# Altium PCB MainBoard_6_layers.PcbDoc (part 2 of 6) (continued)
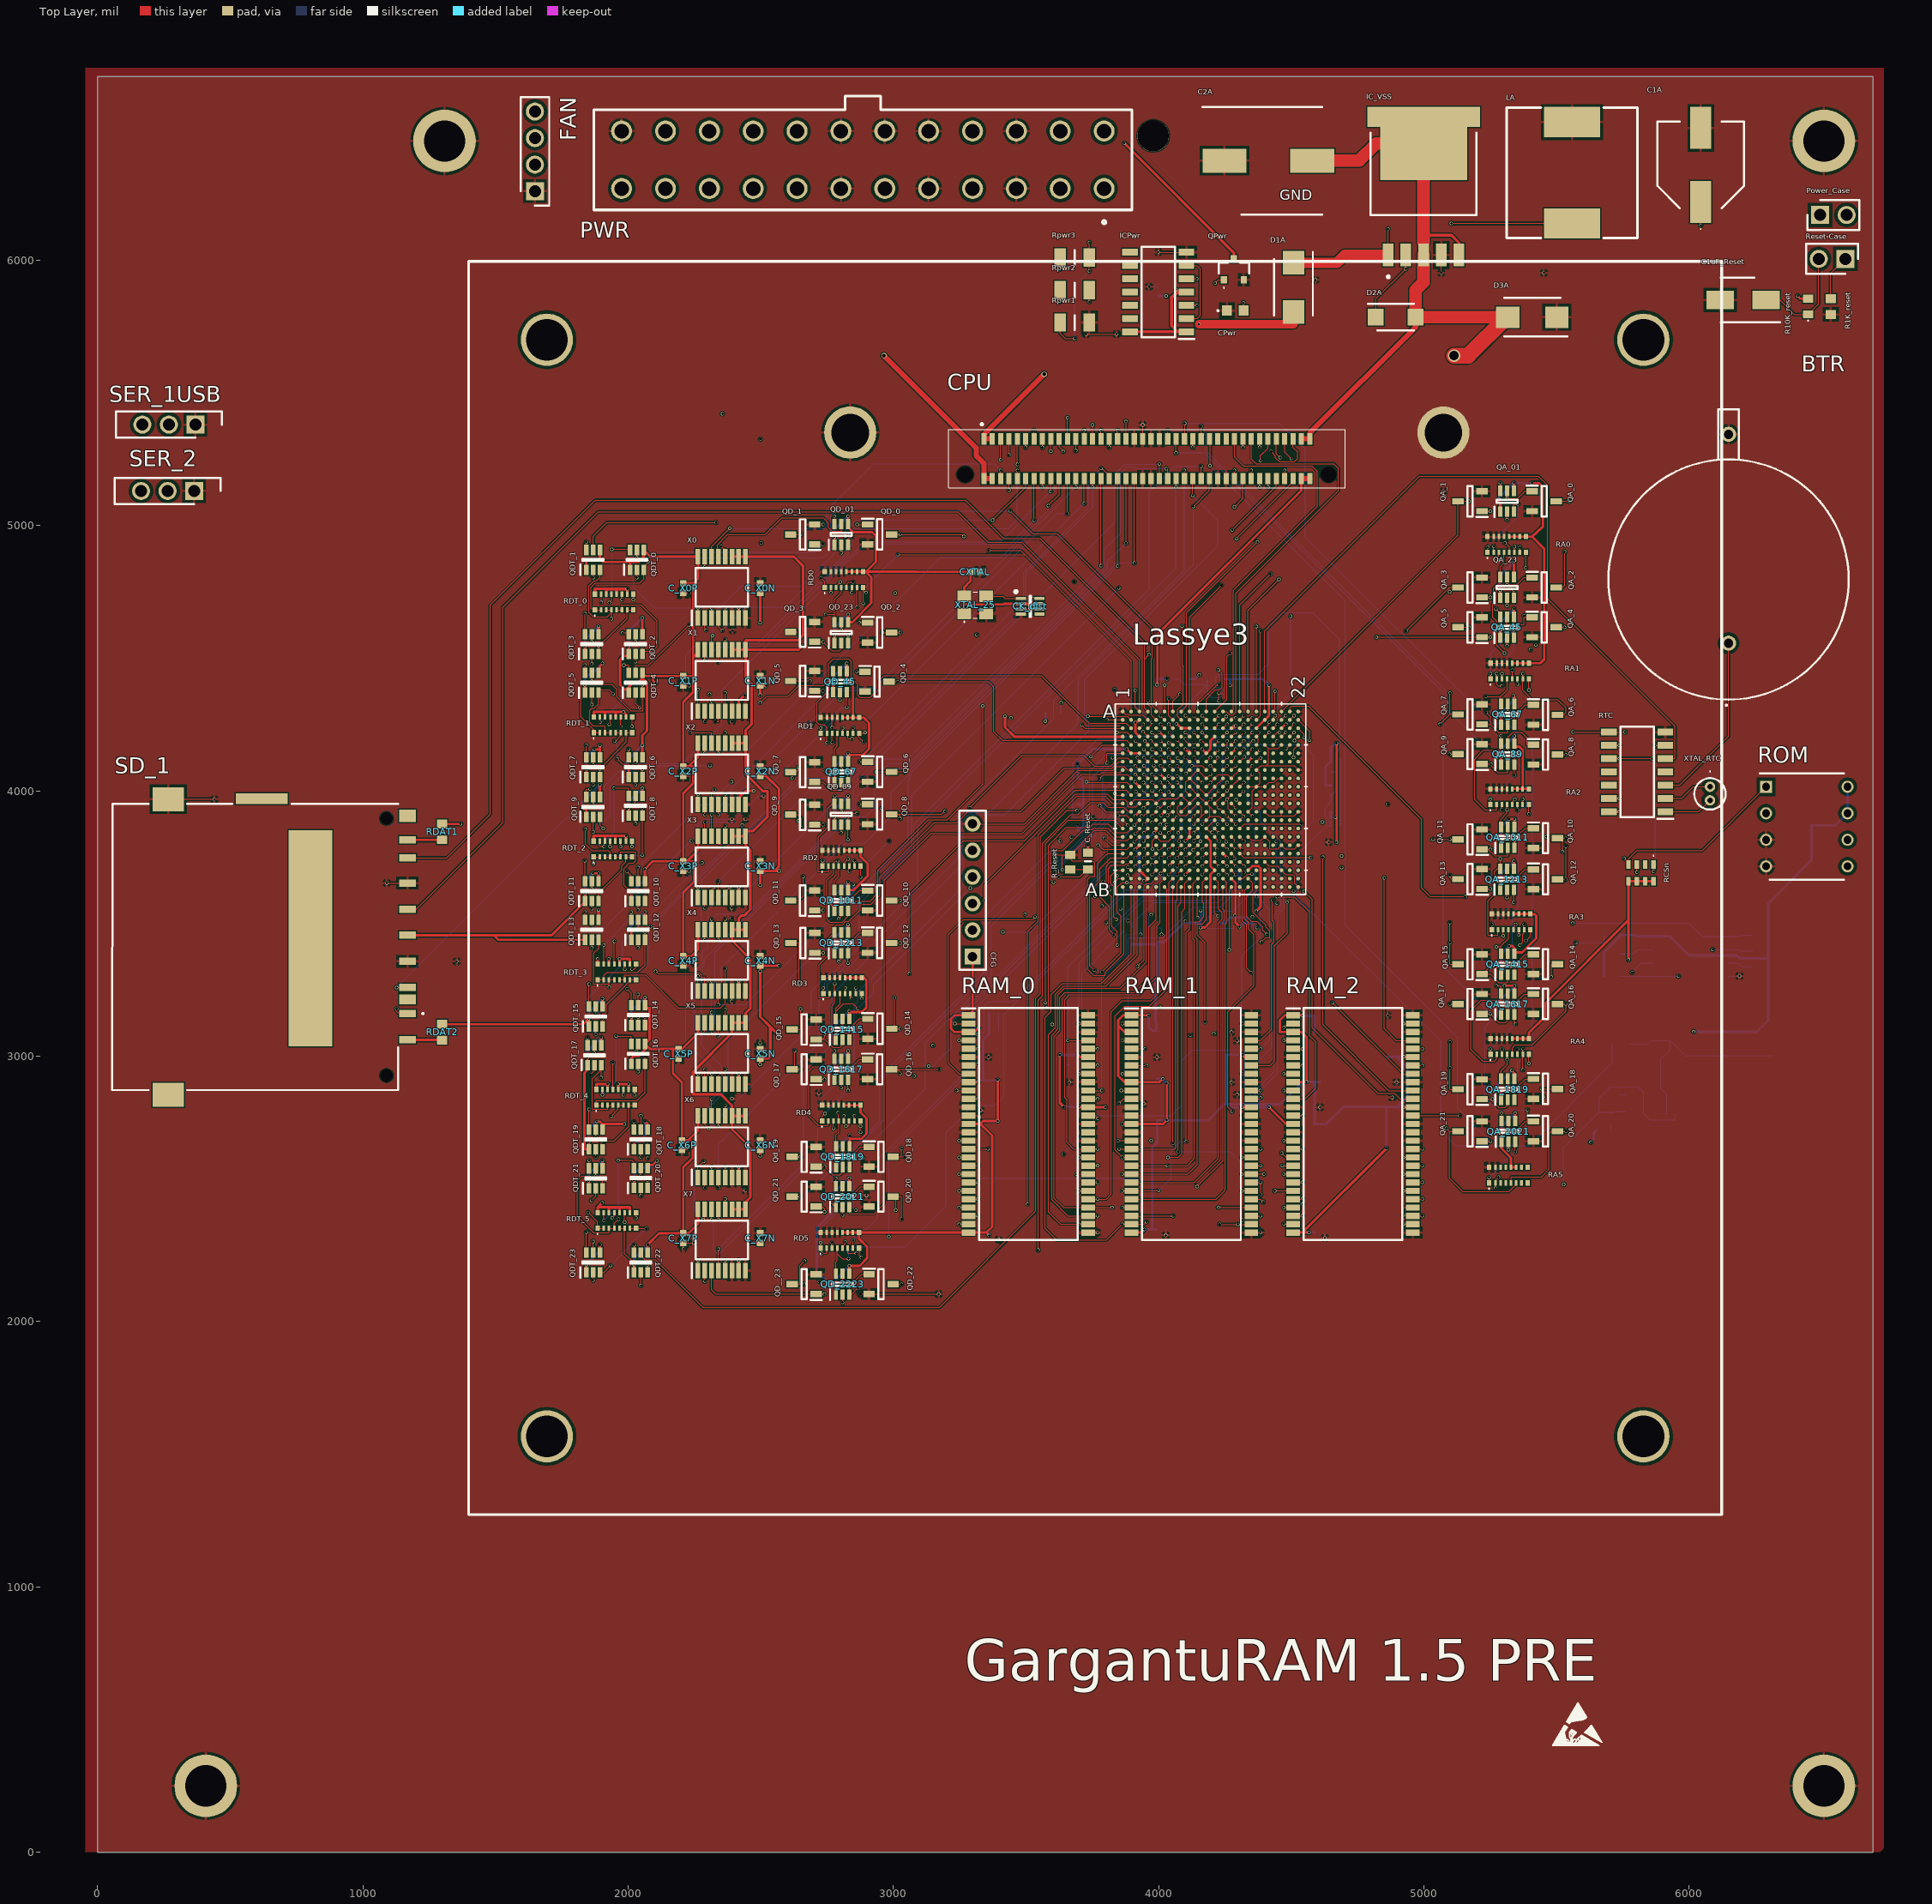
[diagram p0: Top Layer view]
## Nets (pads, with @x,y where several pads share a name; then routed paths per layer and width w, separated by ;. In a path a pad name is that pad's centre, name@x,y a point inside that pad or via, vN(x,y) a via of type N, cw(c..) or ccw(c..) an arc to the next point about the centre after c; other vN are vias at no path point) (continued)
A15: CPU.35 QA_15.1 QA_1415.2 | length 3638.7
  Top Layer w4: CPU.35@3876.81,5327.43 v1(3876.81,5393) ; QA_15.1@5219.55,3309.45 QA_15.1@5235.91,3309.45 ; v1(5250.91,3340) 5235.91,3325 QA_15.1@5235.91,3309.45 ; QA_1415.2@5316.17,3307.49 5316.17,3278 5282.37,3278 5250.91,3309.45 QA_15.1@5235.91,3309.45
  Layer 3 w4: v1(3876.81,5393) 3874.81,5395 3644.91,5395 3642.91,5397 3535.91,5397 3517.91,5379 3517.91,5083 3797.91,4803 3797.91,4761 4134.91,4424 4156.91,4424 4161.91,4429 4372.91,4429 4396.91,4405 4396.91,4152 4383.91,4139 4372.91,4139 4372.91,4091 4415.91,4048 4585.91,4048 5250.91,3383 v1(5250.91,3340)
A15_A: Lassye3.F17 QA_1415.6 RA3.4 | length 1449.4
  Top Layer w4: Lassye3.F17@4368.66,4142.16 v1(4380.71,4154.2) ; v1(5273.25,3412.67) 5290.58,3412.67 ; QA_1415.6@5290.58,3386.23 5290.58,3412.67 ; RA3.4@5318.82,3477.67 5318.82,3444.24 5290.58,3416 5290.58,3412.67
  Layer 2 w4: v1(4380.71,4154.2) 4364.91,4170 4346.91,4170 4336.91,4160 4336.91,4154.31 4345.23,4146 4353.6,4146 4365.61,4133.99 4365.61,4120 4374.61,4111 4574.91,4111 v1(5273.25,3412.67)
A15_B: Lassye3.G15 QA_15.3 RA3.8 | length 1635.7
  Top Layer w4: Lassye3.G15@4305.67,4110.66 v1(4323.46,4128.45) ; v1(5097.91,3504.28) v1(5097.91,3428) 5097.91,3346.85 QA_15.3@5129,3346.85 ; v1(5385.02,3436) 5401.02,3452 RA3.8@5401.02,3477.67
  Layer 3 w4: v1(4323.46,4128.45) 4336.91,4115 4336.91,4048 4344.91,4040 4581.11,4040 5097.91,3523.2 v1(5097.91,3504.28)
  Layer 4 w4: v1(5097.91,3428) 5105.91,3436 v1(5385.02,3436)
A16: CPU.45 QA_16.1 QA_1617.5 | length 3357.6
  Top Layer w4: CPU.45@4034.29,5327.43 v1(4034.29,5359) ; QA_1617.5@5316.17,3236.45 5318.66,3233.96 v1(5318.66,3201.05) 5318.7,3201.02 5345.71,3201.02 5379.29,3234.6 QA_16.1@5413.39,3234.6
  Layer 3 w4: v1(4034.29,5359) 4288.42,5359 4291.66,5362.24 4543.67,5362.24 5127.91,4778 5127.91,4531 5290.91,4368 5290.91,4338 5303.91,4325 5303.91,4275 5311.91,4267 5380.91,4267 5423.91,4224 5423.91,3250 5348.47,3174.55 5335.81,3174.55 5327.98,3182.38 5327.98,3191.73 v1(5318.66,3201.05)
A16_A: Lassye3.G17 QA_1617.3 RA4.1 | length 1655.7
  Top Layer w4: Lassye3.G17@4368.66,4110.66 4382,4124 v1(4384.91,4124) ; v1(5250.91,3027.39) 5251.3,3027 RA4.1@5251.3,3007.67 ; v1(5341.76,3187.15) QA_1617.3@5341.76,3157.71 5341.76,3126.06 v1(5345.68,3122.15)
  Layer 3 w4: v1(4384.91,4124) 4452.19,4056.73 4589.19,4056.73 5315.91,3330 5315.91,3255 5341.76,3229.15 v1(5341.76,3187.15)
  Bottom Layer w4: v1(5250.91,3027.39) v1(5345.68,3122.15)
A16_B: Lassye3.H16 QA_16.3 RA4.5 | length 1919.1
  Top Layer w4: Lassye3.H16@4337.17,4079.16 4352.91,4094.91 v1(4352.91,4095) ; RA4.5@5333.5,3007.67 5333.5,3032.59 5343.91,3043 5407.91,3043 5535.5,3170.58 v1(5535.5,3197.2) QA_16.3@5503.94,3197.2
  Layer 2 w4: v1(4352.91,4095) 4570.91,4095 5293.91,3372 5360.69,3372 v1(5535.5,3197.2)
A17: CPU.47 QA_17.1 QA_1617.2 | length 2855
  Top Layer w4: v1(4065.79,5275) CPU.47@4065.79,5327.43 ; QA_17.1@5219.55,3159.68 v1(5250.91,3159.68) 5282.59,3128 5308.17,3128 5316.17,3136 QA_1617.2@5316.17,3157.71
  Bottom Layer w4: v1(4065.79,5275) 4170.91,5275 5074,4371.92 5074,3336.6 v1(5250.91,3159.68)
A17_A: Lassye3.J16 QA_1617.6 RA4.2 | length 1805.2
  Top Layer w4: Lassye3.J16@4337.17,4047.67 v1(4352.91,4063.42) ; v1(5273.91,3266.04) 5290.58,3266.04 QA_1617.6@5290.58,3236.45 5290.58,3211 5215.91,3211 5176.91,3172 5176.91,3026 5221.86,2981.05 5266.21,2981.05 5274.45,2989.3 RA4.2@5274.45,3007.67
  Layer 2 w4: v1(4352.91,4063.42) 4555.42,4063.42 4685.06,3933.77 4685.06,3891.85 5151.96,3424.96 5151.96,3388 v1(5273.91,3266.04)
A17_B: Lassye3.R15 QA_17.3 RA4.6 | length 1534.6
  Top Layer w4: Lassye3.R15@4305.67,3858.69 4323.03,3876.05 v1(4538.66,3876.05) ; v1(5097.91,3197) 5097.99,3197.08 QA_17.3@5129,3197.08 ; RA4.6@5353.19,3007.67 v1(5353.19,3027)
  Layer 2 w4: v1(4538.66,3876.05) 4560.91,3853.8 4560.91,3721 5084.91,3197 v1(5097.91,3197) 5155.91,3139 5241.19,3139 v1(5353.19,3027)
A18: CPU.49 QA_18.1 QA_1819.5 | length 3522.4
  Top Layer w4: CPU.49@4097.28,5327.43 4098.66,5328.81 v1(4098.66,5386.05) ; v1(5315.91,2886) v1@5316.17,2886.26 ; QA_1819.5@5316.17,2915.25 v1@5316.17,2886.26 ; QA_18.1@5413.39,2914.6 5381.91,2914.6 5353.32,2886 v1@5316.17,2886.26
  Bottom Layer w4: v1(4098.66,5386.05) 4456.86,5386.05 4553.91,5289 4553.91,4957.13 5256.23,4254.82 5315.09,4254.82 5407.91,4162 5407.91,3030 5353.91,2976 5353.91,2924 v1(5315.91,2886)
A18_A: Lassye3.T15 QA_1819.3 RA4.3 | length 1549.6
  Top Layer w4: Lassye3.T15@4305.67,3827.2 v1(4321.91,3811) ; RA4.3@5294.13,3007.67 v1(5294.13,3027) ; QA_1819.3@5341.76,2836.51 5341.76,2865.85 v1(5341.91,2866)
  Layer 2 w4: v1(4321.91,3811) 4335.34,3797.58 4467.34,3797.58 5197.57,3067.35 5253.79,3067.35 v1(5294.13,3027)
  Layer 3 w4: v1(5294.13,3027) 5294.13,2927.78 5341.91,2880 v1(5341.91,2866)
A18_B: Lassye3.V15 QA_18.3 RA4.7 | length 1611.6
  Top Layer w4: Lassye3.V15@4305.67,3764.2 4320.87,3749 v1(4572.91,3749) ; v1(5372.87,2949) RA4.7@5372.87,3007.67 v1(5372.87,3027.42) ; v1(5444.68,2877.2) QA_18.3@5503.94,2877.2
  Layer 2 w4: v1(4572.91,3749) 4601.13,3749 5203.13,3147 5253.29,3147 v1(5372.87,3027.42) ; v1(5372.87,2949) v1(5444.68,2877.2)
A19: CPU.51 QA_19.1 QA_1819.2 | length 3550.6
  Top Layer w4: CPU.51@4128.78,5327.43 4128.78,5296.13 v1(4128.91,5296) ; QA_19.1@5219.55,2838.48 v1(5258.91,2838.48) 5258.91,2830.48 5282.4,2807 5307.17,2807 5316.17,2816 QA_1819.2@5316.17,2836.51
  Layer 2 w4: v1(4128.91,5296) 4234.47,5296 4297.38,5233.09 4400.82,5233.09 5547.91,4086 5547.91,3040 5504.91,2997 5345.91,2997 5258.91,2910 v1(5258.91,2838.48)
A19_A: Lassye3.W15 QA_1819.6 RA4.4 | length 1418.7
  Top Layer w4: Lassye3.W15@4305.67,3732.71 4321.38,3717 v1(4321.91,3717) ; QA_1819.6@5290.58,2915.25 5290.58,2945 5313.82,2968.24 v1(5313.82,2987.92) RA4.4@5313.82,3007.67
  Layer 2 w4: v1(4321.91,3717) 4380.91,3717 5109.99,2987.92 v1(5313.82,2987.92)
A19_B: Lassye3.T12 QA_19.3 RA4.8 | length 1765.8
  Top Layer w4: Lassye3.T12@4211.18,3827.2 v1(4227.38,3811) ; v1(5097.91,3054) v1(5097.91,2957) 5097.91,2875.88 QA_19.3@5129,2875.88 ; v1(5396.02,2973.06) RA4.8@5396.02,3007.67
  Layer 3 w4: v1(4227.38,3811) 4234.56,3811 4246.91,3823.35 4328.56,3823.35 v1(5097.91,3054)
  Layer 4 w4: v1(5097.91,2957) 5113.97,2973.06 v1(5396.02,2973.06)
A20: CPU.53 QA_20.1 QA_2021.5 | length 3546.9
  Top Layer w4: CPU.53@4160.28,5327.43 v1(4160.28,5374.15) ; QA_2021.5@5318.66,2756.57 5318.66,2736 5327.66,2727 5354.32,2727 5381.91,2754.6 5390.91,2754.6 ; v1(5390.91,2798) 5390.91,2754.6 ; QA_20.1@5413.39,2754.6 5390.91,2754.6
  Bottom Layer w4: v1(4160.28,5374.15) 4160.28,5349.44 4162.62,5347.09 4176.32,5347.09 4178.66,5344.75 4178.66,5281.25 5083.44,4376.48 5083.44,4311.48 5279.91,4115 5343.91,4115 5384.91,4074 5384.91,3944 5356.91,3916 5356.91,3562 5333.91,3539 5333.91,3353 5291.91,3311 5291.91,3253 5278.91,3240 5278.91,3159 5230.91,3111 5230.91,2843 5275.91,2798 v1(5390.91,2798)
A20_A: Lassye3.AA15 QA_2021.3 RA5.1 | length 1716
  Top Layer w4: Lassye3.AA15@4305.67,3669.72 4318.78,3669.72 4336.06,3687 v1(4351.91,3687) ; v1(5245.91,2542.39) 5246.3,2542 RA5.1@5246.3,2522.67 ; v1(5344.25,2640.73) QA_2021.3@5344.25,2677.83 v1(5344.25,2707)
  Layer 3 w4: v1(4351.91,3687) 4414.87,3687 5247.77,2854.09 5263.91,2854.09 5274.91,2843.09 5274.91,2776.34 v1(5344.25,2707)
  Bottom Layer w4: v1(5245.91,2542.39) v1(5344.25,2640.73)
A20_B: Lassye3.AB15 QA_20.3 RA5.5 | length 2155.3
  Top Layer w4: Lassye3.AB15@4305.67,3638.22 4316.01,3627.88 4316.01,3511.09 4332.01,3495.09 4332.01,3331.91 v1(4347.91,3316) ; RA5.5@5328.5,2522.67 5328.5,2543.71 5330.85,2546.05 5443.97,2546.05 5471.91,2574 5471.91,2709.2 5479.91,2717.2 QA_20.3@5503.94,2717.2 v1(5535.91,2717.2)
  Layer 1 w4: v1(4347.91,3316) 4784.91,3316 5248.91,2852 5401.11,2852 v1(5535.91,2717.2)
A21: CPU.55 QA_21.1 QA_2021.2 | length 3229.6
  Top Layer w4: CPU.55@4191.77,5327.43 4193.66,5325.54 v1(4193.66,5226.05) ; QA_21.1@5218.94,2679.8 v1(5250.5,2679.8) ; v1(5318.66,2648) QA_2021.2@5318.66,2677.83
  Layer 2 w4: v1(5250.5,2679.8) 5282.3,2648 v1(5318.66,2648)
  Bottom Layer w4: v1(4193.66,5226.05) 4702.72,4717 4703.91,4717 4703.91,3494 5126.91,3071 5126.91,2803.38 v1(5250.5,2679.8)
A21_A: Lassye3.AA16 QA_2021.6 RA5.2 | length 2000.5
  Top Layer w4: Lassye3.AA16@4337.17,3669.72 4354.42,3652.46 4354.42,3626.86 4332.01,3604.44 4332.01,3526.6 4349.3,3509.31 4370.41,3509.31 4391.91,3487.8 4391.91,3476 v1(4407.91,3460) ; v1(5269.45,2502.92) RA5.2@5269.45,2522.67 5269.45,2532.54 v1(5281.91,2545) ; v1(5292.91,2786) 5293.07,2785.84 QA_2021.6@5293.07,2756.57
  Layer 1 w4: v1(5281.91,2545) 5356.91,2620 5356.91,2722 v1(5292.91,2786)
  Layer 3 w4: v1(4407.91,3460) 4562.82,3305.09 4562.82,3139.09 5198.99,2502.92 v1(5269.45,2502.92)
A21_B: Lassye3.AB16 QA_21.3 RA5.6 | length 2260.2
  Top Layer w4: v1(4276.91,2793) 4260.91,2809 4260.91,3167 4359.91,3266 4359.91,3458 4340.01,3477.91 4340.01,3503.09 4324.01,3519.09 4324.01,3625.06 Lassye3.AB16@4337.17,3638.22 ; v1(5085.11,2729) 5096.91,2717.2 ; QA_21.3@5128.39,2717.2 5096.91,2717.2 ; RA5.6@5348.19,2522.67 5348.19,2517.75 5321.46,2491.01 5146.95,2491.01 5096.91,2541.05 5096.91,2717.2
  Layer 1 w4: v1(4276.91,2793) 4340.91,2729 v1(5085.11,2729)
AUX_0: CPU.68 Lassye3.C11 | length 1419.3
  Top Layer w4: v1(4163.91,4252) 4164.33,4252 Lassye3.C11@4179.69,4236.64 ; CPU.68@4380.75,5177.83 4380.75,5146.16 v1(4380.91,5146)
  Layer 2 w4: v1(4163.91,4252) 4175.91,4264 4175.91,4375 3837.91,4713 3837.91,4776 3846.91,4785 4019.91,4785 v1(4380.91,5146)
AUX_1: CPU.66 Lassye3.C13 | length 1141.2
  Top Layer w4: Lassye3.C13@4242.68,4236.64 4258.03,4252 v1(4258.91,4252) ; CPU.66@4349.25,5177.83 v1(4349.25,5209)
  Layer 4 w4: v1(4258.91,4252) 4243.91,4237 4223.91,4237 4197.01,4263.91 4197.01,4761.72 4333.76,4898.47 4333.76,5193.5 v1(4349.25,5209)
AUX_2: CPU.61 Lassye3.A14 | length 1442.7
  Top Layer w4: Lassye3.A14@4274.17,4299.64 4281.91,4307.38 4281.91,4757 4598.66,5073.75 4598.66,5204.25 4577.91,5225 4319.91,5225 4286.26,5258.65 CPU.61@4286.26,5327.43
AUX_3: CPU.62 Lassye3.B13 | length 1407.4
  Top Layer w4: Lassye3.B13@4242.68,4268.14 v1(4254.91,4280.38) ; CPU.62@4286.26,5177.83 v1(4286.26,5209)
  Layer 4 w4: v1(4254.91,4280.38) 4254.91,4556 4530.91,4832 4530.91,5246 4508.01,5268.91 4436.06,5268.91 4434.66,5267.5 4344.77,5267.5 v1(4286.26,5209)
BA0: Lassye3.AA11 RAM_0.20 RAM_1.20 RAM_2.20 | length 2725.7
  Top Layer w4: v1(3247.91,2556.02) RAM_0.20@3283.15,2556.02 ; v1(3862.75,2556.02) RAM_1.20@3898.15,2556.02 4110.03,2556.02 4146.01,2592 4146.01,3441.09 4138.01,3449.09 4138.01,3507.47 4151.52,3507.47 4170.09,3526.04 4170.09,3577.08 4165.91,3581.25 4165.91,3655.94 Lassye3.AA11@4179.69,3669.72 ; v1(4471.91,2556) RAM_2.20@4507.4,2556.02
  Layer 2 w4: v1(3862.75,2556.02) 3878.78,2540 4455.91,2540 v1(4471.91,2556)
  Layer 4 w4: v1(3247.91,2556.02) 3259.89,2568 3850.78,2568 v1(3862.75,2556.02)
BA1: Lassye3.AA12 RAM_0.21 RAM_1.21 RAM_2.21 | length 2757.5
  Top Layer w4: RAM_0.21@3283.15,2524.53 v1(3318.91,2524.53) ; RAM_1.21@3898.15,2524.53 v1(3933.55,2524.53) 4134.13,2524.53 4224.91,2615.32 4224.91,3503.05 4239.09,3517.22 4239.09,3541.03 4224.91,3555.21 4224.91,3655.98 Lassye3.AA12@4211.18,3669.72 ; RAM_2.21@4507.4,2524.53 4542.44,2524.53 v1(4542.91,2525)
  Layer 1 w4: v1(3933.55,2524.53) 4252.39,2524.53 4267.91,2509 4526.91,2509 v1(4542.91,2525)
  Bottom Layer w4: v1(3318.91,2524.53) 3334.39,2540 3918.08,2540 v1(3933.55,2524.53)
CASn: Lassye3.AA8 RAM_0.17 RAM_1.17 RAM_2.17 | length 2479.7
  Top Layer w4: RAM_0.17@3283.15,2650.51 v1(3356.91,2650.51) ; v1(3850.85,2650.51) RAM_1.17@3898.15,2650.51 v1@3933.43,2650.51 ; v1(3933.91,2651) v1@3933.43,2650.51 ; Lassye3.AA8@4085.2,3669.72 4069.91,3654.43 4069.91,3589.31 4065.61,3585 4065.61,2656 4060.12,2650.51 v1@3933.43,2650.51 ; RAM_2.17@4507.4,2650.51 v1(4542.91,2650.51)
  Layer 2 w4: v1(3933.91,2651) 3935.51,2652.6 4233.51,2652.6 4249.91,2669 4524.43,2669 v1(4542.91,2650.51)
  Layer 4 w4: v1(3356.91,2650.51) 3726.4,2650.51 3741.91,2635 3835.33,2635 v1(3850.85,2650.51)
CBUS_0: Lassye3.U4 Rk.3 | length 330.8
  Top Layer w4: v1(3945.21,3781.7) Lassye3.U4@3959.21,3795.7
  Layer 4 w4: v1(3945.21,3781.7) 3955.91,3771 3955.91,3550.5 v1(3971.91,3534.5)
  Bottom Layer w4: Rk.3@3963.66,3485.19 3963.66,3526.24 v1(3971.91,3534.5)
CBUS_1: Lassye3.U6 Rk.2 | length 2720.8
  Top Layer w4: v1(4000.91,3782) 4008.51,3782 Lassye3.U6@4022.21,3795.7
  Layer 1 w4: v1(3932.17,3459.75) 4299.91,3092 4911.91,3092 4937.91,3118 4937.91,3138 4857.91,3218 4327.82,3218 3923.82,3622 3923.82,3729 3911.91,3729 3899.91,3741 3899.91,3760 3907.91,3768 3986.91,3768 v1(4000.91,3782)
  Bottom Layer w4: v1(3932.17,3459.75) Rk.2@3932.17,3485.19
CBUS_2: Lassye3.T4 Rk.1 | length 445.5
  Top Layer w4: v1(3943.47,3811.45) Lassye3.T4@3959.21,3827.2
  Layer 1 w4: v1(3883.91,3511) 3883.91,3596 3867.91,3612 3867.91,3805 3882.91,3820 3934.91,3820 v1(3943.47,3811.45)
  Bottom Layer w4: v1(3883.91,3511) 3892.91,3502 3900.67,3502 Rk.1@3900.67,3485.19
CDONE: Lassye3.V5 R_CDONE.2 | length 1970.4
  Top Layer w4: v1(3974.91,3748.41) Lassye3.V5@3990.71,3764.2
  Layer 1 w4: v1(3974.91,3748.41) 3990.32,3733 4171.82,3733 4175.82,3729 4175.82,3689.09 4299.85,3565.07 5535.91,3565.07 5572.91,3528.07 v1(5572.91,3428)
  Bottom Layer w4: v1(5572.91,3428) 5679.13,3428 R_CDONE.2@5679.13,3457.12
CKE: Lassye3.AA5 RAM_0.37 RAM_1.37 RAM_2.37 | length 2668.6
  Top Layer w4: v1(3698.91,2619) RAM_0.37@3734.17,2619.02 ; v1(3920.91,3340) 3944.91,3364 3944.91,3642.31 3953.83,3651.22 3972.21,3651.22 Lassye3.AA5@3990.71,3669.72 ; v1(4313.78,2619.02) RAM_1.37@4349.17,2619.02 ; v1(4922.91,2619) RAM_2.37@4958.43,2619.02
  Layer 1 w4: v1(4313.78,2619.02) 4382.93,2619.02 4459.91,2696 4845.91,2696 v1(4922.91,2619)
  Layer 2 w4: v1(3698.91,2619) 3715.91,2602 4296.76,2602 v1(4313.78,2619.02)
  Layer 3 w4: v1(3698.91,2619) 3861.84,2781.93 3941.13,2781.93 3959.2,2800 3959.2,2836.71 3920.91,2875 v1(3920.91,3340)
CLOCK: CK_dist.1 XTAL_25.3 | length 136.9
  Top Layer w4: XTAL_25.3@3350,4733.53 3412.91,4733.53 3420.71,4725.74 CK_dist.1@3483.66,4725.74
Clock_CPU: CK_dist.3 CPU.64 | length 1096.7
  Top Layer w4: CK_dist.3@3483.66,4686.37 3500.54,4686.37 v1(3518.91,4668) ; v1(4285.76,5071) 4317.76,5103 CPU.64@4317.76,5177.83
  Layer 4 w4: v1(3518.91,4668) 3882.76,4668 v1(4285.76,5071)
ClockFPGA: CK_dist.8 Lassye3.M6 Lassye3.R4 | length 2318
  Top Layer w4: v1(3525.91,4725.74) CK_dist.8@3548.62,4725.74 ; v1(3943.91,3843) 3943.91,3843.2 3959.21,3858.5 Lassye3.R4@3959.21,3858.69 ; v1(3997.91,3937) 4006.03,3937 Lassye3.M6@4022.21,3953.18
  Layer 1 w4: v1(3525.91,4725.74) 3592.65,4659 v1(4497.91,4659) ; v1(3943.91,3843) 3955.91,3855 4003.91,3855 4018.01,3869.09 4018.01,3893.69 4020.91,3896.6 4020.91,3930 4013.91,3937 v1(3997.91,3937)
  Bottom Layer w4: v1(3997.91,3937) 4083.66,4022.75 4083.66,4086.75 4113.91,4117 4113.91,4224 4122.91,4233 4362.91,4233 4497.91,4368 v1(4497.91,4659)
CSn: Lassye3.AA10 RAM_0.19 RAM_1.19 RAM_2.19 | length 2462.9
  Top Layer w4: RAM_0.19@3283.15,2587.52 3318.91,2587.52 v1(3319.39,2588) ; RAM_1.19@3898.15,2587.52 v1(3933.55,2587.52) v1(4032.91,2587.52) 4107.91,2587.52 4134.91,2614.52 4134.91,3436.19 4130.01,3441.09 4130.01,3651.53 Lassye3.AA10@4148.19,3669.72 ; v1(4466.53,2587.52) RAM_2.19@4507.4,2587.52
  Layer 1 w4: v1(4032.91,2587.52) 4047.43,2573 4452.01,2573 v1(4466.53,2587.52)
  Layer 2 w4: v1(3319.39,2588) 3335.39,2572 3918.03,2572 v1(3933.55,2587.52)
D0: CPU.6 X0.14 | length 1333.4
  Top Layer w4: X0.14@2314.53,4883.53 2314.53,4921.61 v1(2382.91,4990) ; CPU.6@3404.37,5177.83 v1(3404.37,5209)
  Bottom Layer w4: v1(2382.91,4990) 2739.91,4990 2749.91,5000 2749.91,5059 2924.91,5234 3379.37,5234 v1(3404.37,5209)
D0_A_FromBUS: Lassye3.C3 QD_01.3 RD0.1 | length 1704.2
  Top Layer w4: v1(2726.61,4803.42) 2741.3,4788.72 RD0.1@2741.3,4767.67 ; QD_01.3@2829.25,4927.83 2829.25,4949.07 2837.18,4957 v1(2844.91,4957) ; Lassye3.C3@3927.72,4236.64 3941.91,4250.84 v1(3941.91,4252)
  Layer 1 w4: v1(2844.91,4957) 3303.91,4498 3695.91,4498 v1(3941.91,4252)
  Bottom Layer w4: v1(2726.61,4803.42) 2742.61,4803.42 2830.41,4891.22 2830.41,4915.03 2844.91,4929.53 v1(2844.91,4957)
D0_A_ToBUS: Lassye3.A5 QDT_0.5 | length 2628.1
  Top Layer w4: v1(2032.91,4879) QDT_0.5@2032.91,4908.6 ; v1(3439.91,5056) 3525.91,4970 3617.91,4970 3975.82,4612.09 3975.82,4502.09 3973.01,4499.28 3973.01,4325 3990.71,4307.3 Lassye3.A5@3990.71,4299.64
  Bottom Layer w4: v1(2032.91,4879) 2735.21,4879 2763.91,4907.7 2763.91,5040 2779.91,5056 v1(3439.91,5056)
D0_B_FromBUS: Lassye3.C4 QD_0.3 RD0.5 | length 1600.8
  Top Layer w4: RD0.5@2823.51,4767.67 2823.51,4779.01 2831.91,4787.42 v1(2847.91,4787.42) ; QD_0.3@2993.94,4967.2 v1@3025.72,4967.2 ; v1(3025.91,4967) v1@3025.72,4967.2 ; v1(3265.72,4959.39) 3257.91,4967.2 v1@3025.72,4967.2 ; Lassye3.C4@3959.21,4236.64 3974.91,4252.34 v1(3974.91,4259)
  Layer 2 w4: v1(3265.72,4959.39) 3265.72,4951.2 v1(3833.91,4383)
  Layer 4 w4: v1(2847.91,4787.42) 2847.91,4789 v1(3025.91,4967)
  Bottom Layer w4: v1(3833.91,4383) 3850.91,4383 v1(3974.91,4259)
D0_B_ToBUS: Lassye3.A6 QDT_0.2 | length 2434.3
  Top Layer w4: v1(2032.91,4804) QDT_0.2@2032.91,4833.8 ; Lassye3.A6@4022.21,4299.64 v1(4022.21,4398.71)
  Layer 2 w4: v1(2501.91,4935) 2549.91,4983 3437.91,4983 v1(4022.21,4398.71)
  Layer 4 w4: v1(2032.91,4804) 2163.91,4935 v1(2501.91,4935)
D0_FROM_BUS: QD_0.1 QD_01.5 X0.13 | length 739.7
  Top Layer w4: X0.13@2340.12,4883.53 2340.12,4904 2336.91,4904 2336.91,4928 2374.91,4966 2515.91,4966 2578.91,5029 2735.91,5029 2755.91,5009 2755.91,4992 2767.91,4980 2803.66,4980 ; QD_01.5@2803.66,5006.57 2803.66,4980 ; v1(2819.66,4960.97) 2803.66,4980 ; v1(2863.29,5004.6) QD_0.1@2903.39,5004.6
  Layer 4 w4: v1(2819.66,4960.97) v1(2863.29,5004.6)
D0_TO_BUS: QDT_0.3 RDT_0.1 RDT_0.2 X0.12 | length 753
  Top Layer w4: RDT_0.2@1897.91,4683.04 RDT_0.1@1874.76,4683.04 1870.81,4687 1859.91,4687 1859.91,4768 1876.22,4784.3 2044.22,4784.3 2058.5,4798.59 QDT_0.3@2058.5,4833.8 2058.5,4845 2074.91,4861.41 v1(2074.91,4864) ; v1(2349.91,4923) 2359.91,4913 2365.71,4913 X0.12@2365.71,4883.53
  Layer 1 w4: v1(2074.91,4864) 2133.91,4923 v1(2349.91,4923)
D1: CPU.8 X0.15 | length 1472.7
  Top Layer w4: v1(2288.91,4845) X0.15@2288.94,4883.53 ; CPU.8@3435.87,5177.83 v1(3435.91,5134) v1(3435.91,5134)
  Layer 2 w4: v1(2288.91,4845) 2288.91,5056 2366.91,5134 v1(3435.91,5134)
D1_A_FromBUS: Lassye3.C6 QD_01.6 RD0.2 | length 1918.4
  Top Layer w4: v1(2764.45,4748) RD0.2@2764.45,4767.67 ; QD_01.6@2778.07,5006.57 v1(2778.07,5036.16) ; v1(4006.91,4252) 4006.91,4251.94 Lassye3.C6@4022.21,4236.64
  Layer 1 w4: v1(2764.45,4748) 2764.45,5022.54 v1(2778.07,5036.16) 2799.76,5036.16 3292.91,4543 3704.87,4543 3890.39,4357.48 3901.44,4357.48 v1(4006.91,4252)
D1_A_ToBUS: Lassye3.A7 QDT_1.5 | length 2630.7
  Top Layer w4: QDT_1.5@1867.91,4908.6 1867.91,4960 1919.91,5012 v1(2330.91,5012) ; Lassye3.A7@4053.7,4299.64 4053.7,4338.79 v1(4079.91,4365)
  Layer 2 w4: v1(2330.91,5012) 2690.91,4652 2930.91,4652 3219.82,4363.09 4078.01,4363.09 v1(4079.91,4365)
D1_B_FromBUS: Lassye3.C7 QD_1.3 RD0.6 | length 2232.7
  Top Layer w4: QD_1.3@2612.64,4967.12 v1(2649.8,4967.12) ; v1(2843.19,4747.92) RD0.6@2843.19,4767.67 ; v1(4038.13,4252.22) Lassye3.C7@4053.7,4236.64
  Layer 2 w4: v1(2649.8,4967.12) 2885.91,4731 3125.91,4731 3485.82,4371.09 3845.91,4371.09 3869.82,4395 3923.83,4395 3940.02,4378.8 4091.91,4378.8 4091.91,4306 v1(4038.13,4252.22)
  Layer 3 w4: v1(2649.8,4967.12) 2843.19,4773.72 v1(2843.19,4747.92)
D1_B_ToBUS: Lassye3.A19 QDT_1.2 | length 3136.4
  Top Layer w4: v1(1867.91,4804) QDT_1.2@1867.91,4833.8 ; Lassye3.A19@4431.65,4299.64 4431.65,4299.97 4438.66,4306.98 v1(4438.66,4376.05)
  Layer 1 w4: v1(3313.91,4589) 4139.91,4589 4352.86,4376.05 v1(4438.66,4376.05)
  Layer 3 w4: v1(1867.91,4804) 1829.91,4842 1829.91,4950 2508.91,4950 2892.91,4566 3290.91,4566 v1(3313.91,4589)
D1_FROM_BUS: QD_1.1 QD_01.2 X0.1 | length 1308.6
  Top Layer w4: X0.1@2263.35,4652.19 v1(2263.35,4690.57) ; QD_1.1@2703.19,4929.71 v1(2734.75,4929.71) ; v1(2803.66,4898) QD_01.2@2803.66,4927.83
  Layer 2 w4: v1(2734.75,4929.71) 2766.46,4898 v1(2803.66,4898)
  Bottom Layer w4: v1(2263.35,4690.57) 2098.35,4690.57 2020.91,4768 2020.91,4890 2031.91,4901 2706.04,4901 v1(2734.75,4929.71)
D1_TO_BUS: QDT_1.3 RDT_0.3 RDT_0.4 X0.2 | length 782.1
  Top Layer w4: QDT_1.3@1893.5,4833.8 1893.5,4805.89 1879.91,4792.3 1871.91,4792.3 1851.91,4772.3 1851.91,4672 1867.86,4656.05 1921.34,4656.05 1937.28,4672 ; RDT_0.3@1917.6,4683.04 RDT_0.4@1937.28,4683.04 1937.28,4672 ; v1(1937.28,4649) 1937.28,4672 ; X0.2@2288.94,4652.19 2288.94,4612.89 2293.66,4608.17 v1(2293.66,4606.05)
  Layer 1 w4: v1(1937.28,4649) 1953.12,4664.84 2253.08,4664.84 2293.66,4624.25 v1(2293.66,4606.05)
D2: CPU.10 X0.4 | length 1596.5
  Top Layer w4: X0.4@2340.12,4652.19 2340.12,4619.5 v1(2355.02,4604.59) ; CPU.10@3467.36,5177.83 v1(3467.36,5209)
  Bottom Layer w4: v1(2355.02,4604.59) 2443.74,4693.3 2592.68,4693.3 2743.03,4843.65 2770.81,4843.65 2822.41,4895.25 2822.41,4928.38 2831.57,4937.53 2831.57,4972.31 2847.91,4988.65 3433.3,4988.65 3467.36,5022.72 v1(3467.36,5209)
D2_A_FromBUS: Lassye3.D2 QD_23.3 RD0.3 | length 1495.1
  Top Layer w4: RD0.3@2784.13,4767.67 2784.13,4772.59 2799.54,4788 v1(2799.91,4788) ; QD_23.3@2829.25,4557.83 v1(2829.25,4587) v1@2829.25,4587.42 ; v1(3842.91,4221) 3880.37,4221 Lassye3.D2@3896.22,4205.15
  Layer 1 w4: v1(2799.91,4788) 2799.91,4641.66 2829.25,4612.32 v1@2829.25,4587.42 ; v1(2829.25,4587) v1@2829.25,4587.42 ; v1(3842.91,4221) 3831.91,4232 3514.91,4232 3182.91,4564 2852.67,4564 v1@2829.25,4587.42
D2_A_ToBUS: Lassye3.B5 QDT_2.5 | length 2266.4
  Top Layer w4: v1(2027.91,4562) QDT_2.5@2027.91,4591.34 ; v1(3959.91,4340) 3959.91,4326 3972.91,4313 3972.91,4285.94 Lassye3.B5@3990.71,4268.14
  Layer 4 w4: v1(2027.91,4562) 2027.91,4528 2045.91,4510 3017.91,4510 3318.91,4209 3776.91,4209 3907.91,4340 v1(3959.91,4340)
D2_B_FromBUS: Lassye3.D9 QD_2.3 RD0.7 | length 2062.9
  Top Layer w4: v1(2862.88,4693.23) RD0.7@2862.88,4767.67 ; v1(2958.91,4597.2) QD_2.3@2993.94,4597.2 v1(3025.91,4597.2) ; v1(4100.91,4221) 4100.91,4220.93 Lassye3.D9@4116.69,4205.15
  Layer 2 w4: v1(3006.82,4746.1) 3234.72,4974 3395.01,4974 3982.21,4386.8 4099.11,4386.8 4112.91,4373 4112.91,4233 v1(4100.91,4221)
  Layer 3 w4: v1(2862.88,4693.23) v1(2958.91,4597.2) ; v1(3006.82,4746.1) 3025.91,4727 v1(3025.91,4597.2)
D2_B_ToBUS: Lassye3.B6 QDT_2.2 | length 2587.4
  Top Layer w4: v1(2027.91,4487) QDT_2.2@2027.91,4516.54 ; v1(4006.91,4283.43) Lassye3.B6@4022.21,4268.14
  Layer 4 w4: v1(2027.91,4487) 2015.91,4499 2015.91,4575 2031.91,4591 2040.91,4591 2040.91,4534 3213.53,4534 3530.44,4217.09 3773.62,4217.09 4002.53,4446 4006.91,4446 v1(4006.91,4283.43)
D2_FROM_BUS: QD_2.1 QD_23.5 X0.3 | length 721.8
  Top Layer w4: X0.3@2314.53,4652.19 2314.53,4690.61 v1(2314.91,4691) ; v1(2803.66,4606.97) QD_23.5@2803.66,4636.57 ; v1(2871.91,4635) 2872.32,4634.6 QD_2.1@2903.39,4634.6
  Layer 2 w4: v1(2314.91,4691) 2336.91,4713 2451.91,4713 2547.91,4617 2793.64,4617 v1(2803.66,4606.97)
  Layer 4 w4: v1(2803.66,4606.97) 2831.69,4635 v1(2871.91,4635)
D2_TO_BUS: QDT_2.3 RDT_0.5 RDT_0.6 X0.5 | length 794.2
  Top Layer w4: RDT_0.5@1956.97,4683.04 RDT_0.6@1976.65,4683.04 1976.65,4701 2047.91,4701 2108.91,4640 2108.91,4544 2091.91,4527 QDT_2.3@2053.5,4527 ; QDT_2.3@2053.5,4516.54 QDT_2.3@2053.5,4527 ; v1(2053.5,4546) QDT_2.3@2053.5,4527 ; X0.5@2365.71,4652.19 2365.71,4690.59 v1(2365.91,4690.8)
  Layer 4 w4: v1(2053.5,4546) 2163.5,4656 2331.12,4656 v1(2365.91,4690.8)
D3: CPU.12 X1.14 | length 1571.8
  Top Layer w4: X1.14@2314.53,4532.11 2314.53,4579.81 2318.66,4583.94 v1(2318.66,4586.05) ; v1(3373.81,5021) 3498.86,5146.05 CPU.12@3498.86,5177.83
  Bottom Layer w4: v1(2318.66,4586.05) 2318.66,4624.14 2316.84,4625.96 2316.84,4661.93 2427.91,4773 2654.91,4773 2782.91,4901 2782.91,4944 2859.91,5021 v1(3373.81,5021)
D3_A_FromBUS: Lassye3.D10 QD_23.6 RD0.4 | length 2671.4
  Top Layer w4: v1(2744.91,4666) 2778.07,4666 ; QD_23.6@2778.07,4636.57 2778.07,4666 ; RD0.4@2803.82,4767.67 2803.82,4748.09 2778.07,4722.35 2778.07,4666 ; v1(4132.91,4221) 4132.91,4220.42 Lassye3.D10@4148.19,4205.15
  Layer 2 w4: v1(2744.91,4666) 2487.91,4923 2487.91,4951 2528.91,4992 3518.28,4992 4144.91,4365.36 4144.91,4233 v1(4132.91,4221)
D3_A_ToBUS: Lassye3.B7 QDT_3.5 | length 2776.5
  Top Layer w4: v1(1862.91,4562) QDT_3.5@1862.91,4591.34 ; v1(4037.91,4347.64) 4037.91,4283.93 Lassye3.B7@4053.7,4268.14
  Layer 4 w4: v1(1862.91,4562) 1880.91,4562 2037.91,4719 3134.91,4719 3619.91,4234 3743.91,4234 3976.91,4467 4026.91,4467 4050.93,4442.98 4050.93,4360.65 v1(4037.91,4347.64)
D3_B_FromBUS: Lassye3.D11 QD_3.3 RD0.8 | length 2026.8
  Top Layer w4: QD_3.3@2612.64,4599.87 v1(2643.91,4599.87) ; v1(2886.02,4707) 2886.02,4757 ; RD0.8@2886.02,4767.67 2886.02,4757 ; v1(2896.91,4748) 2886.02,4757 ; v1(4163.91,4221) 4163.91,4220.92 Lassye3.D11@4179.69,4205.15
  Layer 3 w4: v1(3681.91,4789) 3753.91,4789 4148.91,4394 4148.91,4244.81 4163.91,4229.81 v1(4163.91,4221)
  Layer 4 w4: v1(2643.91,4599.87) 2751.04,4707 v1(2886.02,4707) ; v1(2896.91,4748) 2937.91,4789 v1(3681.91,4789)
D3_B_ToBUS: Lassye3.D18 QDT_3.2 | length 3018.5
  Top Layer w4: v1(1862.91,4480) QDT_3.2@1862.91,4516.53 ; Lassye3.D18@4400.16,4205.15 4415.91,4220.9 v1(4415.91,4221)
  Layer 1 w4: v1(2664.91,3965) 2784.91,3965 2803.91,3984 2803.91,4004 2807.91,4008 3597.6,4008 3682.98,4093.37 3682.98,4115.34 3766.89,4115.34 3788.13,4094.09 3819.31,4094.09 3837.95,4112.74 4048.65,4112.74 4049.91,4114 4049.91,4128 4059.91,4138 4070.91,4138 4084.91,4152 4084.91,4160 4127.91,4203 4296.91,4203 4309.91,4216 4309.91,4232 4329.91,4232 4340.91,4221 4340.91,4216 4348.91,4208 4402.91,4208 v1(4415.91,4221)
  Layer 3 w4: v1(1862.91,4480) 1880.91,4462 2015.91,4462 2284.91,4193 2436.91,4193 v1(2664.91,3965)
D3_FROM_BUS: QD_3.1 QD_23.2 X1.13 | length 613.7
  Top Layer w4: v1(2340.12,4485.01) X1.13@2340.12,4532.11 ; QD_3.1@2703.19,4562.47 2734.44,4562.47 v1(2734.91,4562) 2768.91,4528 2795.66,4528 2803.66,4536 QD_23.2@2803.66,4557.83
  Layer 3 w4: v1(2340.12,4485.01) 2657.93,4485.01 v1(2734.91,4562)
D3_TO_BUS: QDT_3.3 RDT_0.7 RDT_0.8 X1.12 | length 784.2
  Top Layer w4: QDT_3.3@1888.51,4516.53 v1(1888.51,4547) 1996.34,4650 RDT_0.7@1996.34,4683.04 RDT_0.8@2019.49,4683.04 ; X1.12@2365.71,4532.11 v1(2365.71,4571)
  Layer 1 w4: v1(1888.51,4547) 1915.51,4520 2314.71,4520 v1(2365.71,4571)
D4: CPU.14 X1.15 | length 1656.4
  Top Layer w4: v1(2288.91,4493) X1.15@2288.94,4532.11 ; v1(3530.36,5020.44) CPU.14@3530.36,5177.83
  Bottom Layer w4: v1(2288.91,4493) 2338.91,4543 2493.91,4543 2728.91,4778 2739.82,4778 2893.11,4931.29 3441.2,4931.29 v1(3530.36,5020.44)